# KiCad board panel.opm-lowside.kicad_pcb (continued)
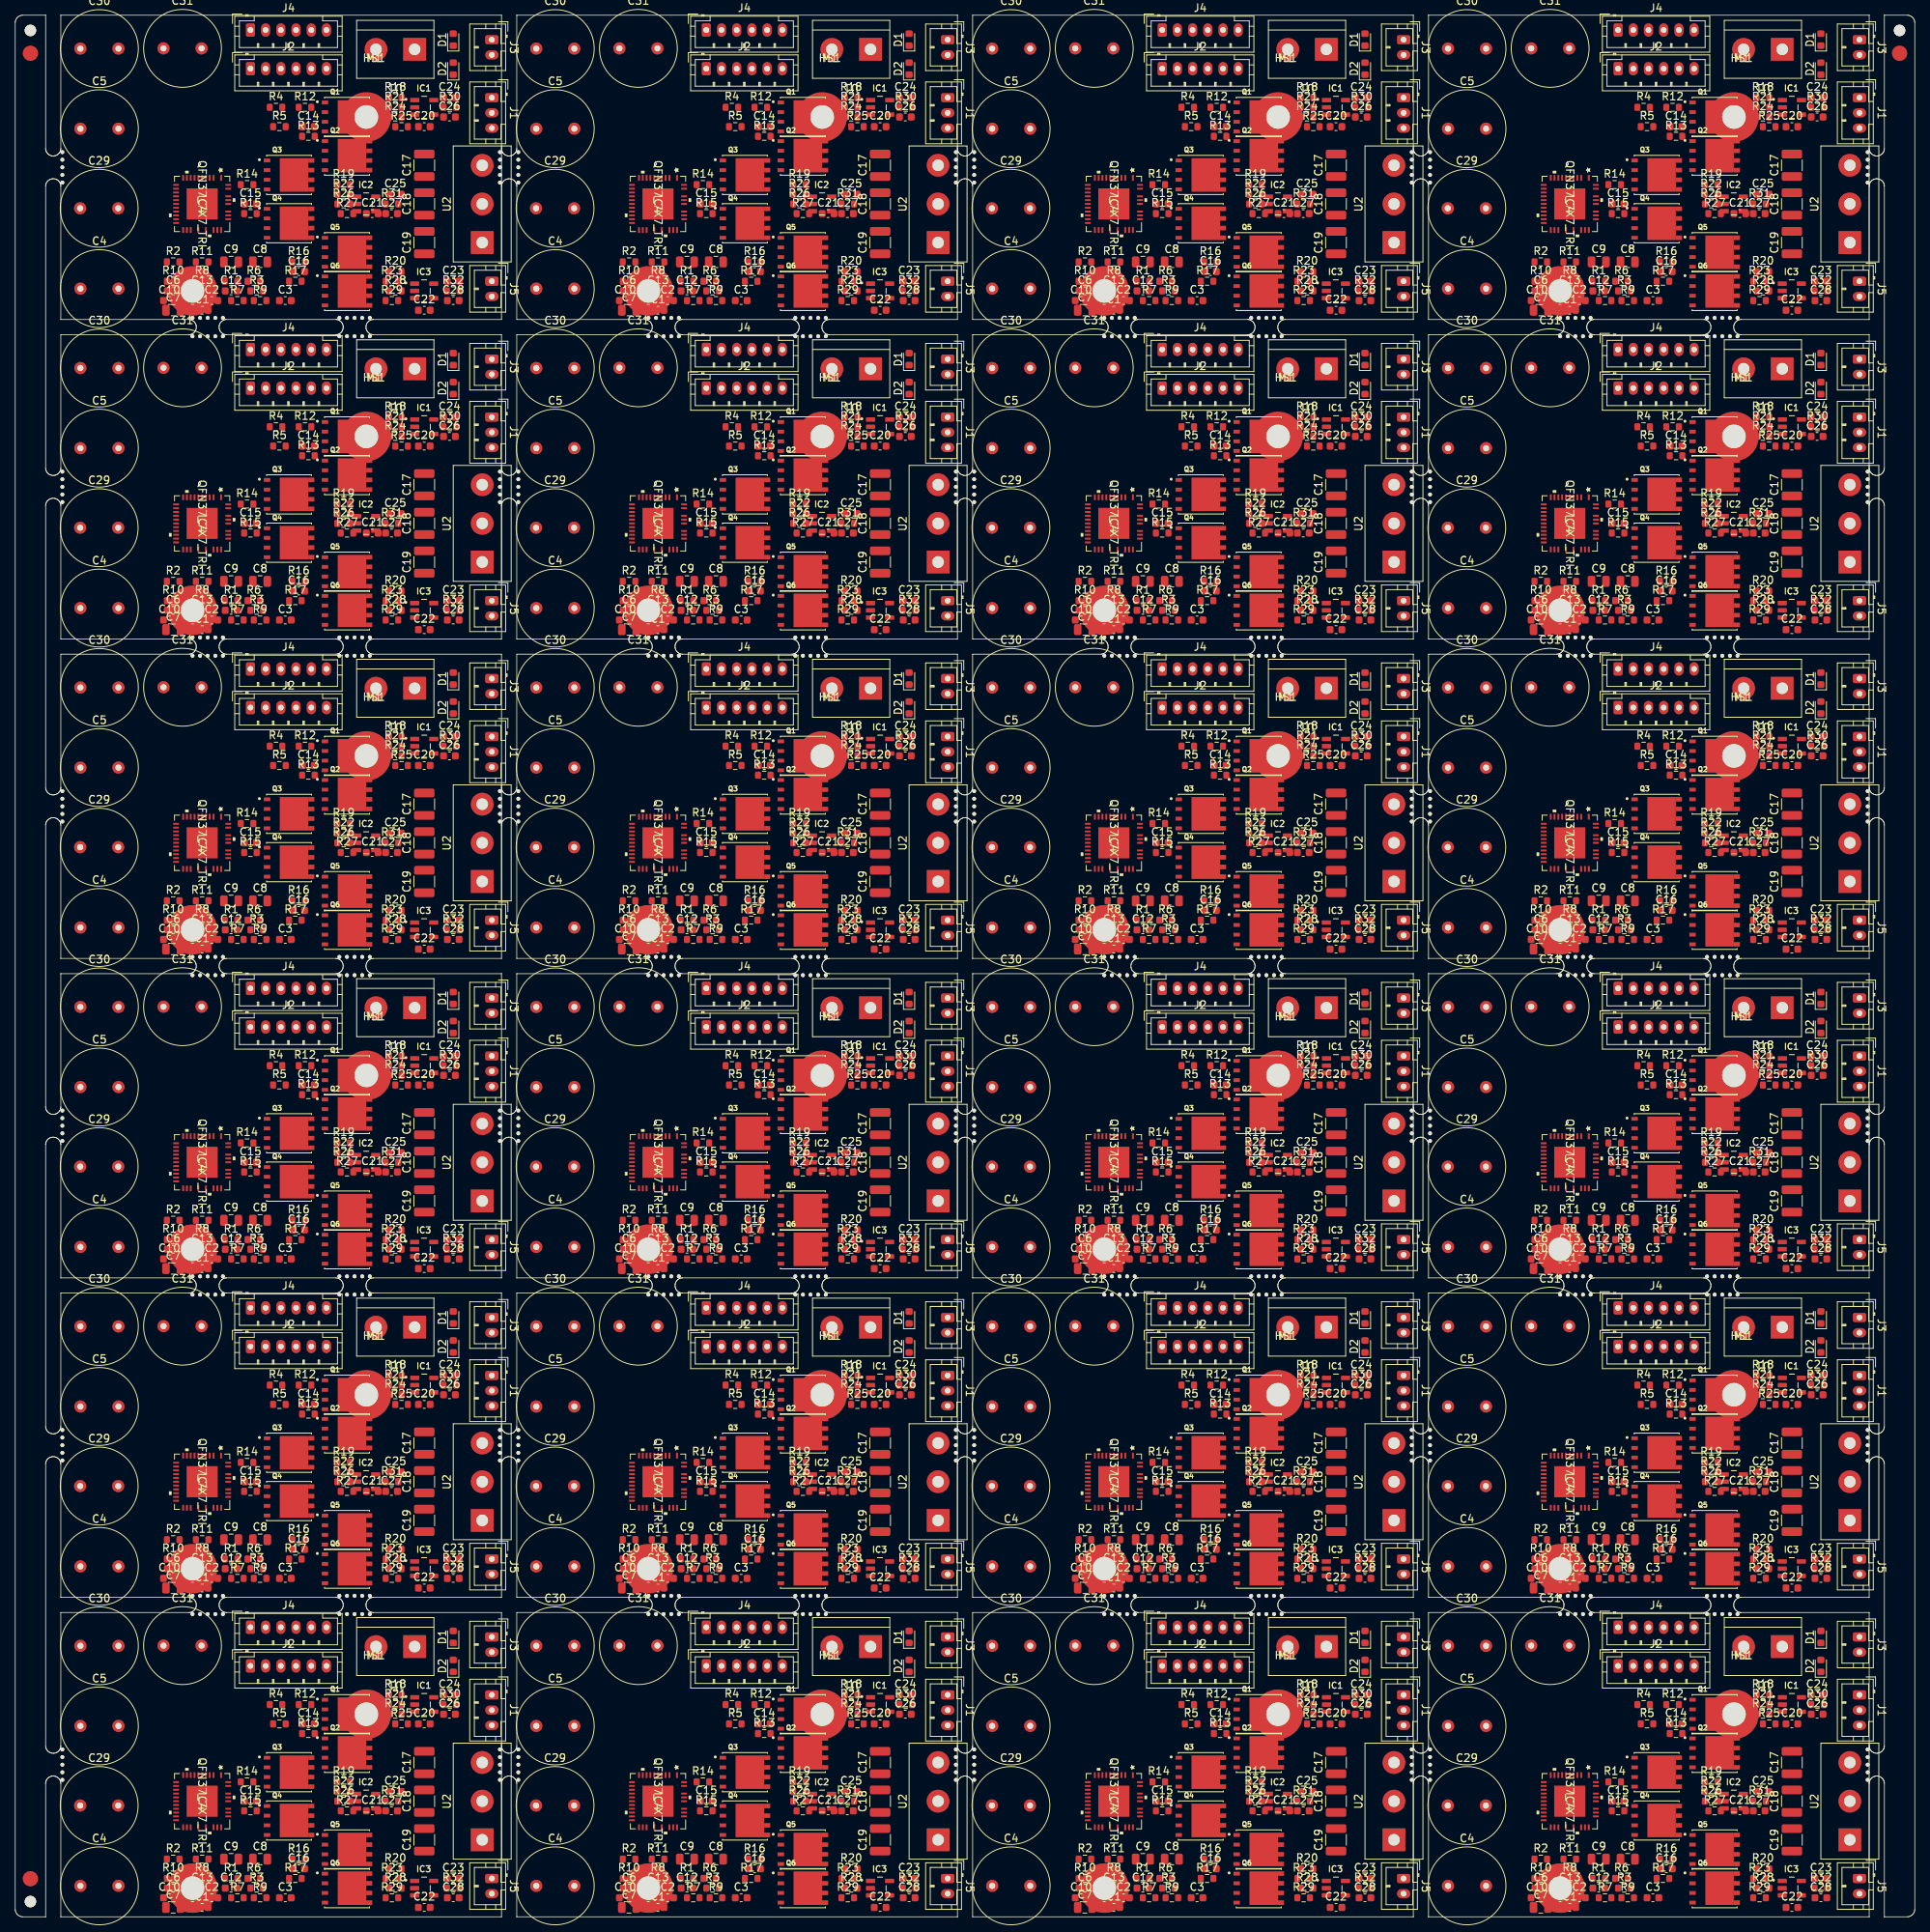
[diagram p0: board, top side]
## Placement (name value [footprint] x y rotation side) (continued)
R20#13  .001Ω/1%  [R_0603_1608Metric]  49.98 90.29 0 top
R20#14  .001Ω/1%  [R_0603_1608Metric]  109.93 90.29 0 top
R20#15  .001Ω/1%  [R_0603_1608Metric]  169.88 90.29 0 top
R20#16  .001Ω/1%  [R_0603_1608Metric]  229.83 90.29 0 top
R20#17  .001Ω/1%  [R_0603_1608Metric]  49.98 48.3 0 top
R20#18  .001Ω/1%  [R_0603_1608Metric]  109.93 48.3 0 top
R20#19  .001Ω/1%  [R_0603_1608Metric]  169.88 48.3 0 top
R20#20  .001Ω/1%  [R_0603_1608Metric]  229.83 48.3 0 top
R20#21  .001Ω/1%  [R_0603_1608Metric]  49.98 6.31 0 top
R20#22  .001Ω/1%  [R_0603_1608Metric]  109.93 6.31 0 top
R20#23  .001Ω/1%  [R_0603_1608Metric]  169.88 6.31 0 top
R20#24  .001Ω/1%  [R_0603_1608Metric]  229.83 6.31 0 top
R21  .001Ω/1%  [R_0603_1608Metric]  49.98 237.85 0 top
R21#2  .001Ω/1%  [R_0603_1608Metric]  109.93 237.85 0 top
R21#3  .001Ω/1%  [R_0603_1608Metric]  169.88 237.85 0 top
R21#4  .001Ω/1%  [R_0603_1608Metric]  229.83 237.85 0 top
R21#5  .001Ω/1%  [R_0603_1608Metric]  49.98 195.86 0 top
R21#6  .001Ω/1%  [R_0603_1608Metric]  109.93 195.86 0 top
R21#7  .001Ω/1%  [R_0603_1608Metric]  169.88 195.86 0 top
R21#8  .001Ω/1%  [R_0603_1608Metric]  229.83 195.86 0 top
R21#9  .001Ω/1%  [R_0603_1608Metric]  49.98 153.87 0 top
R21#10  .001Ω/1%  [R_0603_1608Metric]  109.93 153.87 0 top
R21#11  .001Ω/1%  [R_0603_1608Metric]  169.88 153.87 0 top
R21#12  .001Ω/1%  [R_0603_1608Metric]  229.83 153.87 0 top
R21#13  .001Ω/1%  [R_0603_1608Metric]  49.98 111.88 0 top
R21#14  .001Ω/1%  [R_0603_1608Metric]  109.93 111.88 0 top
R21#15  .001Ω/1%  [R_0603_1608Metric]  169.88 111.88 0 top
R21#16  .001Ω/1%  [R_0603_1608Metric]  229.83 111.88 0 top
R21#17  .001Ω/1%  [R_0603_1608Metric]  49.98 69.89 0 top
R21#18  .001Ω/1%  [R_0603_1608Metric]  109.93 69.89 0 top
R21#19  .001Ω/1%  [R_0603_1608Metric]  169.88 69.89 0 top
R21#20  .001Ω/1%  [R_0603_1608Metric]  229.83 69.89 0 top
R21#21  .001Ω/1%  [R_0603_1608Metric]  49.98 27.9 0 top
R21#22  .001Ω/1%  [R_0603_1608Metric]  109.93 27.9 0 top
R21#23  .001Ω/1%  [R_0603_1608Metric]  169.88 27.9 0 top
R21#24  .001Ω/1%  [R_0603_1608Metric]  229.83 27.9 0 top
R22  .001Ω/1%  [R_0603_1608Metric]  43.19 226.42 0 top
R22#2  .001Ω/1%  [R_0603_1608Metric]  103.14 226.42 0 top
R22#3  .001Ω/1%  [R_0603_1608Metric]  163.09 226.42 0 top
R22#4  .001Ω/1%  [R_0603_1608Metric]  223.04 226.42 0 top
R22#5  .001Ω/1%  [R_0603_1608Metric]  43.19 184.43 0 top
R22#6  .001Ω/1%  [R_0603_1608Metric]  103.14 184.43 0 top
R22#7  .001Ω/1%  [R_0603_1608Metric]  163.09 184.43 0 top
R22#8  .001Ω/1%  [R_0603_1608Metric]  223.04 184.43 0 top
R22#9  .001Ω/1%  [R_0603_1608Metric]  43.19 142.44 0 top
R22#10  .001Ω/1%  [R_0603_1608Metric]  103.14 142.44 0 top
R22#11  .001Ω/1%  [R_0603_1608Metric]  163.09 142.44 0 top
R22#12  .001Ω/1%  [R_0603_1608Metric]  223.04 142.44 0 top
R22#13  .001Ω/1%  [R_0603_1608Metric]  43.19 100.45 0 top
R22#14  .001Ω/1%  [R_0603_1608Metric]  103.14 100.45 0 top
R22#15  .001Ω/1%  [R_0603_1608Metric]  163.09 100.45 0 top
R22#16  .001Ω/1%  [R_0603_1608Metric]  223.04 100.45 0 top
R22#17  .001Ω/1%  [R_0603_1608Metric]  43.19 58.46 0 top
R22#18  .001Ω/1%  [R_0603_1608Metric]  103.14 58.46 0 top
R22#19  .001Ω/1%  [R_0603_1608Metric]  163.09 58.46 0 top
R22#20  .001Ω/1%  [R_0603_1608Metric]  223.04 58.46 0 top
R22#21  .001Ω/1%  [R_0603_1608Metric]  43.19 16.47 0 top
R22#22  .001Ω/1%  [R_0603_1608Metric]  103.14 16.47 0 top
R22#23  .001Ω/1%  [R_0603_1608Metric]  163.09 16.47 0 top
R22#24  .001Ω/1%  [R_0603_1608Metric]  223.04 16.47 0 top
R23  .001Ω/1%  [R_0603_1608Metric]  49.54 214.99 0 top
R23#2  .001Ω/1%  [R_0603_1608Metric]  109.49 214.99 0 top
R23#3  .001Ω/1%  [R_0603_1608Metric]  169.44 214.99 0 top
R23#4  .001Ω/1%  [R_0603_1608Metric]  229.39 214.99 0 top
R23#5  .001Ω/1%  [R_0603_1608Metric]  49.54 173 0 top
R23#6  .001Ω/1%  [R_0603_1608Metric]  109.49 173 0 top
R23#7  .001Ω/1%  [R_0603_1608Metric]  169.44 173 0 top
R23#8  .001Ω/1%  [R_0603_1608Metric]  229.39 173 0 top
R23#9  .001Ω/1%  [R_0603_1608Metric]  49.54 131.01 0 top
R23#10  .001Ω/1%  [R_0603_1608Metric]  109.49 131.01 0 top
R23#11  .001Ω/1%  [R_0603_1608Metric]  169.44 131.01 0 top
R23#12  .001Ω/1%  [R_0603_1608Metric]  229.39 131.01 0 top
R23#13  .001Ω/1%  [R_0603_1608Metric]  49.54 89.02 0 top
R23#14  .001Ω/1%  [R_0603_1608Metric]  109.49 89.02 0 top
R23#15  .001Ω/1%  [R_0603_1608Metric]  169.44 89.02 0 top
R23#16  .001Ω/1%  [R_0603_1608Metric]  229.39 89.02 0 top
R23#17  .001Ω/1%  [R_0603_1608Metric]  49.54 47.03 0 top
R23#18  .001Ω/1%  [R_0603_1608Metric]  109.49 47.03 0 top
R23#19  .001Ω/1%  [R_0603_1608Metric]  169.44 47.03 0 top
R23#20  .001Ω/1%  [R_0603_1608Metric]  229.39 47.03 0 top
R23#21  .001Ω/1%  [R_0603_1608Metric]  49.54 5.04 0 top
R23#22  .001Ω/1%  [R_0603_1608Metric]  109.49 5.04 0 top
R23#23  .001Ω/1%  [R_0603_1608Metric]  169.44 5.04 0 top
R23#24  .001Ω/1%  [R_0603_1608Metric]  229.39 5.04 0 top
R24  10Ω/1%  [R_0603_1608Metric]  49.98 236.58 0 top
R24#2  10Ω/1%  [R_0603_1608Metric]  109.93 236.58 0 top
R24#3  10Ω/1%  [R_0603_1608Metric]  169.88 236.58 0 top
R24#4  10Ω/1%  [R_0603_1608Metric]  229.83 236.58 0 top
R24#5  10Ω/1%  [R_0603_1608Metric]  49.98 194.59 0 top
R24#6  10Ω/1%  [R_0603_1608Metric]  109.93 194.59 0 top
R24#7  10Ω/1%  [R_0603_1608Metric]  169.88 194.59 0 top
R24#8  10Ω/1%  [R_0603_1608Metric]  229.83 194.59 0 top
R24#9  10Ω/1%  [R_0603_1608Metric]  49.98 152.6 0 top
R24#10  10Ω/1%  [R_0603_1608Metric]  109.93 152.6 0 top
R24#11  10Ω/1%  [R_0603_1608Metric]  169.88 152.6 0 top
R24#12  10Ω/1%  [R_0603_1608Metric]  229.83 152.6 0 top
R24#13  10Ω/1%  [R_0603_1608Metric]  49.98 110.61 0 top
R24#14  10Ω/1%  [R_0603_1608Metric]  109.93 110.61 0 top
R24#15  10Ω/1%  [R_0603_1608Metric]  169.88 110.61 0 top
R24#16  10Ω/1%  [R_0603_1608Metric]  229.83 110.61 0 top
R24#17  10Ω/1%  [R_0603_1608Metric]  49.98 68.62 0 top
R24#18  10Ω/1%  [R_0603_1608Metric]  109.93 68.62 0 top
R24#19  10Ω/1%  [R_0603_1608Metric]  169.88 68.62 0 top
R24#20  10Ω/1%  [R_0603_1608Metric]  229.83 68.62 0 top
R24#21  10Ω/1%  [R_0603_1608Metric]  49.98 26.63 0 top
R24#22  10Ω/1%  [R_0603_1608Metric]  109.93 26.63 0 top
R24#23  10Ω/1%  [R_0603_1608Metric]  169.88 26.63 0 top
R24#24  10Ω/1%  [R_0603_1608Metric]  229.83 26.63 0 top
R25  10Ω/1%  [R_0603_1608Metric]  50.81 235.31 0 top
R25#2  10Ω/1%  [R_0603_1608Metric]  110.76 235.31 0 top
R25#3  10Ω/1%  [R_0603_1608Metric]  170.71 235.31 0 top
R25#4  10Ω/1%  [R_0603_1608Metric]  230.66 235.31 0 top
R25#5  10Ω/1%  [R_0603_1608Metric]  50.81 193.32 0 top
R25#6  10Ω/1%  [R_0603_1608Metric]  110.76 193.32 0 top
R25#7  10Ω/1%  [R_0603_1608Metric]  170.71 193.32 0 top
R25#8  10Ω/1%  [R_0603_1608Metric]  230.66 193.32 0 top
R25#9  10Ω/1%  [R_0603_1608Metric]  50.81 151.33 0 top
R25#10  10Ω/1%  [R_0603_1608Metric]  110.76 151.33 0 top
R25#11  10Ω/1%  [R_0603_1608Metric]  170.71 151.33 0 top
R25#12  10Ω/1%  [R_0603_1608Metric]  230.66 151.33 0 top
R25#13  10Ω/1%  [R_0603_1608Metric]  50.81 109.34 0 top
R25#14  10Ω/1%  [R_0603_1608Metric]  110.76 109.34 0 top
R25#15  10Ω/1%  [R_0603_1608Metric]  170.71 109.34 0 top
R25#16  10Ω/1%  [R_0603_1608Metric]  230.66 109.34 0 top
R25#17  10Ω/1%  [R_0603_1608Metric]  50.81 67.35 0 top
R25#18  10Ω/1%  [R_0603_1608Metric]  110.76 67.35 0 top
R25#19  10Ω/1%  [R_0603_1608Metric]  170.71 67.35 0 top
R25#20  10Ω/1%  [R_0603_1608Metric]  230.66 67.35 0 top
R25#21  10Ω/1%  [R_0603_1608Metric]  50.81 25.36 0 top
R25#22  10Ω/1%  [R_0603_1608Metric]  110.76 25.36 0 top
R25#23  10Ω/1%  [R_0603_1608Metric]  170.71 25.36 0 top
R25#24  10Ω/1%  [R_0603_1608Metric]  230.66 25.36 0 top
R26  10Ω/1%  [R_0603_1608Metric]  43.19 225.15 0 top
R26#2  10Ω/1%  [R_0603_1608Metric]  103.14 225.15 0 top
R26#3  10Ω/1%  [R_0603_1608Metric]  163.09 225.15 0 top
R26#4  10Ω/1%  [R_0603_1608Metric]  223.04 225.15 0 top
R26#5  10Ω/1%  [R_0603_1608Metric]  43.19 183.16 0 top
R26#6  10Ω/1%  [R_0603_1608Metric]  103.14 183.16 0 top
R26#7  10Ω/1%  [R_0603_1608Metric]  163.09 183.16 0 top
R26#8  10Ω/1%  [R_0603_1608Metric]  223.04 183.16 0 top
R26#9  10Ω/1%  [R_0603_1608Metric]  43.19 141.17 0 top
R26#10  10Ω/1%  [R_0603_1608Metric]  103.14 141.17 0 top
R26#11  10Ω/1%  [R_0603_1608Metric]  163.09 141.17 0 top
R26#12  10Ω/1%  [R_0603_1608Metric]  223.04 141.17 0 top
R26#13  10Ω/1%  [R_0603_1608Metric]  43.19 99.18 0 top
R26#14  10Ω/1%  [R_0603_1608Metric]  103.14 99.18 0 top
R26#15  10Ω/1%  [R_0603_1608Metric]  163.09 99.18 0 top
R26#16  10Ω/1%  [R_0603_1608Metric]  223.04 99.18 0 top
R26#17  10Ω/1%  [R_0603_1608Metric]  43.19 57.19 0 top
R26#18  10Ω/1%  [R_0603_1608Metric]  103.14 57.19 0 top
R26#19  10Ω/1%  [R_0603_1608Metric]  163.09 57.19 0 top
R26#20  10Ω/1%  [R_0603_1608Metric]  223.04 57.19 0 top
R26#21  10Ω/1%  [R_0603_1608Metric]  43.19 15.2 0 top
R26#22  10Ω/1%  [R_0603_1608Metric]  103.14 15.2 0 top
R26#23  10Ω/1%  [R_0603_1608Metric]  163.09 15.2 0 top
R26#24  10Ω/1%  [R_0603_1608Metric]  223.04 15.2 0 top
R27  10Ω/1%  [R_0603_1608Metric]  43.63 223.88 0 top
R27#2  10Ω/1%  [R_0603_1608Metric]  103.58 223.88 0 top
R27#3  10Ω/1%  [R_0603_1608Metric]  163.53 223.88 0 top
R27#4  10Ω/1%  [R_0603_1608Metric]  223.48 223.88 0 top
R27#5  10Ω/1%  [R_0603_1608Metric]  43.63 181.89 0 top
R27#6  10Ω/1%  [R_0603_1608Metric]  103.58 181.89 0 top
R27#7  10Ω/1%  [R_0603_1608Metric]  163.53 181.89 0 top
R27#8  10Ω/1%  [R_0603_1608Metric]  223.48 181.89 0 top
R27#9  10Ω/1%  [R_0603_1608Metric]  43.63 139.9 0 top
R27#10  10Ω/1%  [R_0603_1608Metric]  103.58 139.9 0 top
R27#11  10Ω/1%  [R_0603_1608Metric]  163.53 139.9 0 top
R27#12  10Ω/1%  [R_0603_1608Metric]  223.48 139.9 0 top
R27#13  10Ω/1%  [R_0603_1608Metric]  43.63 97.91 0 top
R27#14  10Ω/1%  [R_0603_1608Metric]  103.58 97.91 0 top
R27#15  10Ω/1%  [R_0603_1608Metric]  163.53 97.91 0 top
R27#16  10Ω/1%  [R_0603_1608Metric]  223.48 97.91 0 top
R27#17  10Ω/1%  [R_0603_1608Metric]  43.63 55.92 0 top
R27#18  10Ω/1%  [R_0603_1608Metric]  103.58 55.92 0 top
R27#19  10Ω/1%  [R_0603_1608Metric]  163.53 55.92 0 top
R27#20  10Ω/1%  [R_0603_1608Metric]  223.48 55.92 0 top
R27#21  10Ω/1%  [R_0603_1608Metric]  43.63 13.93 0 top
R27#22  10Ω/1%  [R_0603_1608Metric]  103.58 13.93 0 top
R27#23  10Ω/1%  [R_0603_1608Metric]  163.53 13.93 0 top
R27#24  10Ω/1%  [R_0603_1608Metric]  223.48 13.93 0 top
R28  10Ω/1%  [R_0603_1608Metric]  49.98 213.72 0 top
R28#2  10Ω/1%  [R_0603_1608Metric]  109.93 213.72 0 top
R28#3  10Ω/1%  [R_0603_1608Metric]  169.88 213.72 0 top
R28#4  10Ω/1%  [R_0603_1608Metric]  229.83 213.72 0 top
R28#5  10Ω/1%  [R_0603_1608Metric]  49.98 171.73 0 top
R28#6  10Ω/1%  [R_0603_1608Metric]  109.93 171.73 0 top
R28#7  10Ω/1%  [R_0603_1608Metric]  169.88 171.73 0 top
R28#8  10Ω/1%  [R_0603_1608Metric]  229.83 171.73 0 top
R28#9  10Ω/1%  [R_0603_1608Metric]  49.98 129.74 0 top
R28#10  10Ω/1%  [R_0603_1608Metric]  109.93 129.74 0 top
R28#11  10Ω/1%  [R_0603_1608Metric]  169.88 129.74 0 top
R28#12  10Ω/1%  [R_0603_1608Metric]  229.83 129.74 0 top
R28#13  10Ω/1%  [R_0603_1608Metric]  49.98 87.75 0 top
R28#14  10Ω/1%  [R_0603_1608Metric]  109.93 87.75 0 top
R28#15  10Ω/1%  [R_0603_1608Metric]  169.88 87.75 0 top
R28#16  10Ω/1%  [R_0603_1608Metric]  229.83 87.75 0 top
R28#17  10Ω/1%  [R_0603_1608Metric]  49.98 45.76 0 top
R28#18  10Ω/1%  [R_0603_1608Metric]  109.93 45.76 0 top
R28#19  10Ω/1%  [R_0603_1608Metric]  169.88 45.76 0 top
R28#20  10Ω/1%  [R_0603_1608Metric]  229.83 45.76 0 top
R28#21  10Ω/1%  [R_0603_1608Metric]  49.98 3.77 0 top
R28#22  10Ω/1%  [R_0603_1608Metric]  109.93 3.77 0 top
R28#23  10Ω/1%  [R_0603_1608Metric]  169.88 3.77 0 top
R28#24  10Ω/1%  [R_0603_1608Metric]  229.83 3.77 0 top
R29  10Ω/1%  [R_0603_1608Metric]  49.54 212.45 0 top
R29#2  10Ω/1%  [R_0603_1608Metric]  109.49 212.45 0 top
R29#3  10Ω/1%  [R_0603_1608Metric]  169.44 212.45 0 top
R29#4  10Ω/1%  [R_0603_1608Metric]  229.39 212.45 0 top
R29#5  10Ω/1%  [R_0603_1608Metric]  49.54 170.46 0 top
R29#6  10Ω/1%  [R_0603_1608Metric]  109.49 170.46 0 top
R29#7  10Ω/1%  [R_0603_1608Metric]  169.44 170.46 0 top
R29#8  10Ω/1%  [R_0603_1608Metric]  229.39 170.46 0 top
R29#9  10Ω/1%  [R_0603_1608Metric]  49.54 128.47 0 top
R29#10  10Ω/1%  [R_0603_1608Metric]  109.49 128.47 0 top
R29#11  10Ω/1%  [R_0603_1608Metric]  169.44 128.47 0 top
R29#12  10Ω/1%  [R_0603_1608Metric]  229.39 128.47 0 top
R29#13  10Ω/1%  [R_0603_1608Metric]  49.54 86.48 0 top
R29#14  10Ω/1%  [R_0603_1608Metric]  109.49 86.48 0 top
R29#15  10Ω/1%  [R_0603_1608Metric]  169.44 86.48 0 top
R29#16  10Ω/1%  [R_0603_1608Metric]  229.39 86.48 0 top
R29#17  10Ω/1%  [R_0603_1608Metric]  49.54 44.49 0 top
R29#18  10Ω/1%  [R_0603_1608Metric]  109.49 44.49 0 top
R29#19  10Ω/1%  [R_0603_1608Metric]  169.44 44.49 0 top
R29#20  10Ω/1%  [R_0603_1608Metric]  229.39 44.49 0 top
R29#21  10Ω/1%  [R_0603_1608Metric]  49.54 2.5 0 top
R29#22  10Ω/1%  [R_0603_1608Metric]  109.49 2.5 0 top
R29#23  10Ω/1%  [R_0603_1608Metric]  169.44 2.5 0 top
R29#24  10Ω/1%  [R_0603_1608Metric]  229.39 2.5 0 top
R30  100Ω/5%  [R_0603_1608Metric]  57.16 237.85 0 top
R30#2  100Ω/5%  [R_0603_1608Metric]  117.11 237.85 0 top
R30#3  100Ω/5%  [R_0603_1608Metric]  177.06 237.85 0 top
R30#4  100Ω/5%  [R_0603_1608Metric]  237.01 237.85 0 top
R30#5  100Ω/5%  [R_0603_1608Metric]  57.16 195.86 0 top
R30#6  100Ω/5%  [R_0603_1608Metric]  117.11 195.86 0 top
R30#7  100Ω/5%  [R_0603_1608Metric]  177.06 195.86 0 top
R30#8  100Ω/5%  [R_0603_1608Metric]  237.01 195.86 0 top
R30#9  100Ω/5%  [R_0603_1608Metric]  57.16 153.87 0 top
R30#10  100Ω/5%  [R_0603_1608Metric]  117.11 153.87 0 top
R30#11  100Ω/5%  [R_0603_1608Metric]  177.06 153.87 0 top
R30#12  100Ω/5%  [R_0603_1608Metric]  237.01 153.87 0 top
R30#13  100Ω/5%  [R_0603_1608Metric]  57.16 111.88 0 top
R30#14  100Ω/5%  [R_0603_1608Metric]  117.11 111.88 0 top
R30#15  100Ω/5%  [R_0603_1608Metric]  177.06 111.88 0 top
R30#16  100Ω/5%  [R_0603_1608Metric]  237.01 111.88 0 top
R30#17  100Ω/5%  [R_0603_1608Metric]  57.16 69.89 0 top
R30#18  100Ω/5%  [R_0603_1608Metric]  117.11 69.89 0 top
R30#19  100Ω/5%  [R_0603_1608Metric]  177.06 69.89 0 top
R30#20  100Ω/5%  [R_0603_1608Metric]  237.01 69.89 0 top
R30#21  100Ω/5%  [R_0603_1608Metric]  57.16 27.9 0 top
R30#22  100Ω/5%  [R_0603_1608Metric]  117.11 27.9 0 top
R30#23  100Ω/5%  [R_0603_1608Metric]  177.06 27.9 0 top
R30#24  100Ω/5%  [R_0603_1608Metric]  237.01 27.9 0 top
R31  100Ω/5%  [R_0603_1608Metric]  49.54 225.15 0 top
R31#2  100Ω/5%  [R_0603_1608Metric]  109.49 225.15 0 top
R31#3  100Ω/5%  [R_0603_1608Metric]  169.44 225.15 0 top
R31#4  100Ω/5%  [R_0603_1608Metric]  229.39 225.15 0 top
R31#5  100Ω/5%  [R_0603_1608Metric]  49.54 183.16 0 top
R31#6  100Ω/5%  [R_0603_1608Metric]  109.49 183.16 0 top
R31#7  100Ω/5%  [R_0603_1608Metric]  169.44 183.16 0 top
R31#8  100Ω/5%  [R_0603_1608Metric]  229.39 183.16 0 top
R31#9  100Ω/5%  [R_0603_1608Metric]  49.54 141.17 0 top
R31#10  100Ω/5%  [R_0603_1608Metric]  109.49 141.17 0 top
R31#11  100Ω/5%  [R_0603_1608Metric]  169.44 141.17 0 top
R31#12  100Ω/5%  [R_0603_1608Metric]  229.39 141.17 0 top
R31#13  100Ω/5%  [R_0603_1608Metric]  49.54 99.18 0 top
R31#14  100Ω/5%  [R_0603_1608Metric]  109.49 99.18 0 top
R31#15  100Ω/5%  [R_0603_1608Metric]  169.44 99.18 0 top
R31#16  100Ω/5%  [R_0603_1608Metric]  229.39 99.18 0 top
R31#17  100Ω/5%  [R_0603_1608Metric]  49.54 57.19 0 top
R31#18  100Ω/5%  [R_0603_1608Metric]  109.49 57.19 0 top
R31#19  100Ω/5%  [R_0603_1608Metric]  169.44 57.19 0 top
R31#20  100Ω/5%  [R_0603_1608Metric]  229.39 57.19 0 top
R31#21  100Ω/5%  [R_0603_1608Metric]  49.54 15.2 0 top
R31#22  100Ω/5%  [R_0603_1608Metric]  109.49 15.2 0 top
R31#23  100Ω/5%  [R_0603_1608Metric]  169.44 15.2 0 top
R31#24  100Ω/5%  [R_0603_1608Metric]  229.39 15.2 0 top
R32  100Ω/5%  [R_0603_1608Metric]  57.6 213.72 0 top
R32#2  100Ω/5%  [R_0603_1608Metric]  117.55 213.72 0 top
R32#3  100Ω/5%  [R_0603_1608Metric]  177.5 213.72 0 top
R32#4  100Ω/5%  [R_0603_1608Metric]  237.45 213.72 0 top
R32#5  100Ω/5%  [R_0603_1608Metric]  57.6 171.73 0 top
R32#6  100Ω/5%  [R_0603_1608Metric]  117.55 171.73 0 top
R32#7  100Ω/5%  [R_0603_1608Metric]  177.5 171.73 0 top
R32#8  100Ω/5%  [R_0603_1608Metric]  237.45 171.73 0 top
R32#9  100Ω/5%  [R_0603_1608Metric]  57.6 129.74 0 top
R32#10  100Ω/5%  [R_0603_1608Metric]  117.55 129.74 0 top
R32#11  100Ω/5%  [R_0603_1608Metric]  177.5 129.74 0 top
R32#12  100Ω/5%  [R_0603_1608Metric]  237.45 129.74 0 top
R32#13  100Ω/5%  [R_0603_1608Metric]  57.6 87.75 0 top
R32#14  100Ω/5%  [R_0603_1608Metric]  117.55 87.75 0 top
R32#15  100Ω/5%  [R_0603_1608Metric]  177.5 87.75 0 top
R32#16  100Ω/5%  [R_0603_1608Metric]  237.45 87.75 0 top
R32#17  100Ω/5%  [R_0603_1608Metric]  57.6 45.76 0 top
R32#18  100Ω/5%  [R_0603_1608Metric]  117.55 45.76 0 top
R32#19  100Ω/5%  [R_0603_1608Metric]  177.5 45.76 0 top
R32#20  100Ω/5%  [R_0603_1608Metric]  237.45 45.76 0 top
R32#21  100Ω/5%  [R_0603_1608Metric]  57.6 3.77 0 top
R32#22  100Ω/5%  [R_0603_1608Metric]  117.55 3.77 0 top
R32#23  100Ω/5%  [R_0603_1608Metric]  177.5 3.77 0 top
R32#24  100Ω/5%  [R_0603_1608Metric]  237.45 3.77 0 top
REF**  -  [NPTH]  2 247.95 0 top
REF**#2  -  [NPTH]  247.8 247.95 0 top
REF**#3  -  [NPTH]  2 2 0 top
REF**#4  -  [Fiducial]  2 244.95 0 top
REF**#5  -  [Fiducial]  247.8 244.95 0 top
REF**#6  -  [Fiducial]  2 5 0 top
REF**#7  -  [NPTH#2]  6.2 227.96 0 top
REF**#8  -  [NPTH#2]  6.2 228.96 0 top
REF**#9  -  [NPTH#2]  6.2 229.96 0 top
REF**#10  -  [NPTH#2]  6.2 230.96 0 top
REF**#11  -  [NPTH#2]  6.2 231.96 0 top
REF**#12  -  [NPTH#2]  63.75 231.96 0 top
REF**#13  -  [NPTH#2]  63.75 230.96 0 top
REF**#14  -  [NPTH#2]  63.75 229.96 0 top
REF**#15  -  [NPTH#2]  63.75 228.96 0 top
REF**#16  -  [NPTH#2]  63.75 227.96 0 top
REF**#17  -  [NPTH#2]  27.31 210.16 0 top
REF**#18  -  [NPTH#2]  26.31 210.16 0 top
REF**#19  -  [NPTH#2]  25.31 210.16 0 top
REF**#20  -  [NPTH#2]  24.31 210.16 0 top
REF**#21  -  [NPTH#2]  23.31 210.16 0 top
REF**#22  -  [NPTH#2]  46.63 210.16 0 top
REF**#23  -  [NPTH#2]  45.63 210.16 0 top
REF**#24  -  [NPTH#2]  44.63 210.16 0 top
REF**#25  -  [NPTH#2]  43.63 210.16 0 top
REF**#26  -  [NPTH#2]  42.63 210.16 0 top
REF**#27  -  [NPTH#2]  66.16 227.96 0 top
REF**#28  -  [NPTH#2]  66.16 228.96 0 top
REF**#29  -  [NPTH#2]  66.16 229.96 0 top
REF**#30  -  [NPTH#2]  66.16 230.96 0 top
REF**#31  -  [NPTH#2]  66.16 231.96 0 top
REF**#32  -  [NPTH#2]  123.71 231.96 0 top
REF**#33  -  [NPTH#2]  123.71 230.96 0 top
REF**#34  -  [NPTH#2]  123.71 229.96 0 top
REF**#35  -  [NPTH#2]  123.71 228.96 0 top
REF**#36  -  [NPTH#2]  123.71 227.96 0 top
REF**#37  -  [NPTH#2]  87.27 210.16 0 top
REF**#38  -  [NPTH#2]  86.27 210.16 0 top
REF**#39  -  [NPTH#2]  85.27 210.16 0 top
REF**#40  -  [NPTH#2]  84.27 210.16 0 top
REF**#41  -  [NPTH#2]  83.27 210.16 0 top
REF**#42  -  [NPTH#2]  106.59 210.16 0 top
REF**#43  -  [NPTH#2]  105.59 210.16 0 top
REF**#44  -  [NPTH#2]  104.59 210.16 0 top
REF**#45  -  [NPTH#2]  103.59 210.16 0 top
REF**#46  -  [NPTH#2]  102.59 210.16 0 top
REF**#47  -  [NPTH#2]  126.11 227.96 0 top
REF**#48  -  [NPTH#2]  126.11 228.96 0 top
REF**#49  -  [NPTH#2]  126.11 229.96 0 top
REF**#50  -  [NPTH#2]  126.11 230.96 0 top
REF**#51  -  [NPTH#2]  126.11 231.96 0 top
REF**#52  -  [NPTH#2]  183.66 231.96 0 top
REF**#53  -  [NPTH#2]  183.66 230.96 0 top
REF**#54  -  [NPTH#2]  183.66 229.96 0 top
REF**#55  -  [NPTH#2]  183.66 228.96 0 top
REF**#56  -  [NPTH#2]  183.66 227.96 0 top
REF**#57  -  [NPTH#2]  147.22 210.16 0 top
REF**#58  -  [NPTH#2]  146.22 210.16 0 top
REF**#59  -  [NPTH#2]  145.22 210.16 0 top
REF**#60  -  [NPTH#2]  144.22 210.16 0 top
REF**#61  -  [NPTH#2]  143.22 210.16 0 top
REF**#62  -  [NPTH#2]  166.54 210.16 0 top
REF**#63  -  [NPTH#2]  165.54 210.16 0 top
REF**#64  -  [NPTH#2]  164.54 210.16 0 top
REF**#65  -  [NPTH#2]  163.54 210.16 0 top
REF**#66  -  [NPTH#2]  162.54 210.16 0 top
REF**#67  -  [NPTH#2]  186.06 227.96 0 top
REF**#68  -  [NPTH#2]  186.06 228.96 0 top
REF**#69  -  [NPTH#2]  186.06 229.96 0 top
REF**#70  -  [NPTH#2]  186.06 230.96 0 top
REF**#71  -  [NPTH#2]  186.06 231.96 0 top
REF**#72  -  [NPTH#2]  243.61 231.96 0 top
REF**#73  -  [NPTH#2]  243.61 230.96 0 top
REF**#74  -  [NPTH#2]  243.61 229.96 0 top
REF**#75  -  [NPTH#2]  243.61 228.96 0 top
REF**#76  -  [NPTH#2]  243.61 227.96 0 top
REF**#77  -  [NPTH#2]  207.17 210.16 0 top
REF**#78  -  [NPTH#2]  206.17 210.16 0 top
REF**#79  -  [NPTH#2]  205.17 210.16 0 top
REF**#80  -  [NPTH#2]  204.17 210.16 0 top
REF**#81  -  [NPTH#2]  203.17 210.16 0 top
REF**#82  -  [NPTH#2]  226.49 210.16 0 top
REF**#83  -  [NPTH#2]  225.49 210.16 0 top
REF**#84  -  [NPTH#2]  224.49 210.16 0 top
REF**#85  -  [NPTH#2]  223.49 210.16 0 top
REF**#86  -  [NPTH#2]  222.49 210.16 0 top
REF**#87  -  [NPTH#2]  6.2 185.96 0 top
REF**#88  -  [NPTH#2]  6.2 186.96 0 top
REF**#89  -  [NPTH#2]  6.2 187.96 0 top
REF**#90  -  [NPTH#2]  6.2 188.96 0 top
REF**#91  -  [NPTH#2]  6.2 189.96 0 top
REF**#92  -  [NPTH#2]  63.75 189.96 0 top
REF**#93  -  [NPTH#2]  63.75 188.96 0 top
REF**#94  -  [NPTH#2]  63.75 187.96 0 top
REF**#95  -  [NPTH#2]  63.75 186.96 0 top
REF**#96  -  [NPTH#2]  63.75 185.96 0 top
REF**#97  -  [NPTH#2]  23.31 207.75 0 top
REF**#98  -  [NPTH#2]  24.31 207.75 0 top
REF**#99  -  [NPTH#2]  25.31 207.75 0 top
REF**#100  -  [NPTH#2]  26.31 207.75 0 top
REF**#101  -  [NPTH#2]  27.31 207.75 0 top
REF**#102  -  [NPTH#2]  42.63 207.75 0 top
REF**#103  -  [NPTH#2]  43.63 207.75 0 top
REF**#104  -  [NPTH#2]  44.63 207.75 0 top
REF**#105  -  [NPTH#2]  45.63 207.75 0 top
REF**#106  -  [NPTH#2]  46.63 207.75 0 top
REF**#107  -  [NPTH#2]  27.31 168.16 0 top
REF**#108  -  [NPTH#2]  26.31 168.16 0 top
REF**#109  -  [NPTH#2]  25.31 168.16 0 top
REF**#110  -  [NPTH#2]  24.31 168.16 0 top
REF**#111  -  [NPTH#2]  23.31 168.16 0 top
REF**#112  -  [NPTH#2]  46.63 168.16 0 top
REF**#113  -  [NPTH#2]  45.63 168.16 0 top
REF**#114  -  [NPTH#2]  44.63 168.16 0 top
REF**#115  -  [NPTH#2]  43.63 168.16 0 top
REF**#116  -  [NPTH#2]  42.63 168.16 0 top
REF**#117  -  [NPTH#2]  66.16 185.96 0 top
REF**#118  -  [NPTH#2]  66.16 186.96 0 top
REF**#119  -  [NPTH#2]  66.16 187.96 0 top
REF**#120  -  [NPTH#2]  66.16 188.96 0 top
REF**#121  -  [NPTH#2]  66.16 189.96 0 top
REF**#122  -  [NPTH#2]  123.71 189.96 0 top
REF**#123  -  [NPTH#2]  123.71 188.96 0 top
REF**#124  -  [NPTH#2]  123.71 187.96 0 top
REF**#125  -  [NPTH#2]  123.71 186.96 0 top
REF**#126  -  [NPTH#2]  123.71 185.96 0 top
REF**#127  -  [NPTH#2]  83.27 207.75 0 top
REF**#128  -  [NPTH#2]  84.27 207.75 0 top
REF**#129  -  [NPTH#2]  85.27 207.75 0 top
REF**#130  -  [NPTH#2]  86.27 207.75 0 top
REF**#131  -  [NPTH#2]  87.27 207.75 0 top
REF**#132  -  [NPTH#2]  102.59 207.75 0 top
REF**#133  -  [NPTH#2]  103.59 207.75 0 top
REF**#134  -  [NPTH#2]  104.59 207.75 0 top
REF**#135  -  [NPTH#2]  105.59 207.75 0 top
REF**#136  -  [NPTH#2]  106.59 207.75 0 top
REF**#137  -  [NPTH#2]  87.27 168.16 0 top
REF**#138  -  [NPTH#2]  86.27 168.16 0 top
REF**#139  -  [NPTH#2]  85.27 168.16 0 top
REF**#140  -  [NPTH#2]  84.27 168.16 0 top
REF**#141  -  [NPTH#2]  83.27 168.16 0 top
REF**#142  -  [NPTH#2]  106.59 168.16 0 top
REF**#143  -  [NPTH#2]  105.59 168.16 0 top
REF**#144  -  [NPTH#2]  104.59 168.16 0 top
REF**#145  -  [NPTH#2]  103.59 168.16 0 top
REF**#146  -  [NPTH#2]  102.59 168.16 0 top
REF**#147  -  [NPTH#2]  126.11 185.96 0 top
REF**#148  -  [NPTH#2]  126.11 186.96 0 top
REF**#149  -  [NPTH#2]  126.11 187.96 0 top
REF**#150  -  [NPTH#2]  126.11 188.96 0 top
REF**#151  -  [NPTH#2]  126.11 189.96 0 top
REF**#152  -  [NPTH#2]  183.66 189.96 0 top
REF**#153  -  [NPTH#2]  183.66 188.96 0 top
REF**#154  -  [NPTH#2]  183.66 187.96 0 top
REF**#155  -  [NPTH#2]  183.66 186.96 0 top
REF**#156  -  [NPTH#2]  183.66 185.96 0 top
REF**#157  -  [NPTH#2]  143.22 207.75 0 top
REF**#158  -  [NPTH#2]  144.22 207.75 0 top
REF**#159  -  [NPTH#2]  145.22 207.75 0 top
REF**#160  -  [NPTH#2]  146.22 207.75 0 top
REF**#161  -  [NPTH#2]  147.22 207.75 0 top
REF**#162  -  [NPTH#2]  162.54 207.75 0 top
REF**#163  -  [NPTH#2]  163.54 207.75 0 top
REF**#164  -  [NPTH#2]  164.54 207.75 0 top
REF**#165  -  [NPTH#2]  165.54 207.75 0 top
REF**#166  -  [NPTH#2]  166.54 207.75 0 top
REF**#167  -  [NPTH#2]  147.22 168.16 0 top
REF**#168  -  [NPTH#2]  146.22 168.16 0 top
REF**#169  -  [NPTH#2]  145.22 168.16 0 top
REF**#170  -  [NPTH#2]  144.22 168.16 0 top
REF**#171  -  [NPTH#2]  143.22 168.16 0 top
REF**#172  -  [NPTH#2]  166.54 168.16 0 top
REF**#173  -  [NPTH#2]  165.54 168.16 0 top
REF**#174  -  [NPTH#2]  164.54 168.16 0 top
REF**#175  -  [NPTH#2]  163.54 168.16 0 top
REF**#176  -  [NPTH#2]  162.54 168.16 0 top
REF**#177  -  [NPTH#2]  186.06 185.96 0 top
REF**#178  -  [NPTH#2]  186.06 186.96 0 top
REF**#179  -  [NPTH#2]  186.06 187.96 0 top
REF**#180  -  [NPTH#2]  186.06 188.96 0 top
REF**#181  -  [NPTH#2]  186.06 189.96 0 top
REF**#182  -  [NPTH#2]  243.61 189.96 0 top
REF**#183  -  [NPTH#2]  243.61 188.96 0 top
REF**#184  -  [NPTH#2]  243.61 187.96 0 top
REF**#185  -  [NPTH#2]  243.61 186.96 0 top
REF**#186  -  [NPTH#2]  243.61 185.96 0 top
REF**#187  -  [NPTH#2]  203.17 207.75 0 top
REF**#188  -  [NPTH#2]  204.17 207.75 0 top
REF**#189  -  [NPTH#2]  205.17 207.75 0 top
REF**#190  -  [NPTH#2]  206.17 207.75 0 top
REF**#191  -  [NPTH#2]  207.17 207.75 0 top
REF**#192  -  [NPTH#2]  222.49 207.75 0 top
REF**#193  -  [NPTH#2]  223.49 207.75 0 top
REF**#194  -  [NPTH#2]  224.49 207.75 0 top
REF**#195  -  [NPTH#2]  225.49 207.75 0 top